# Altium PCB Board.PcbDoc (part 4 of 7) (continued)
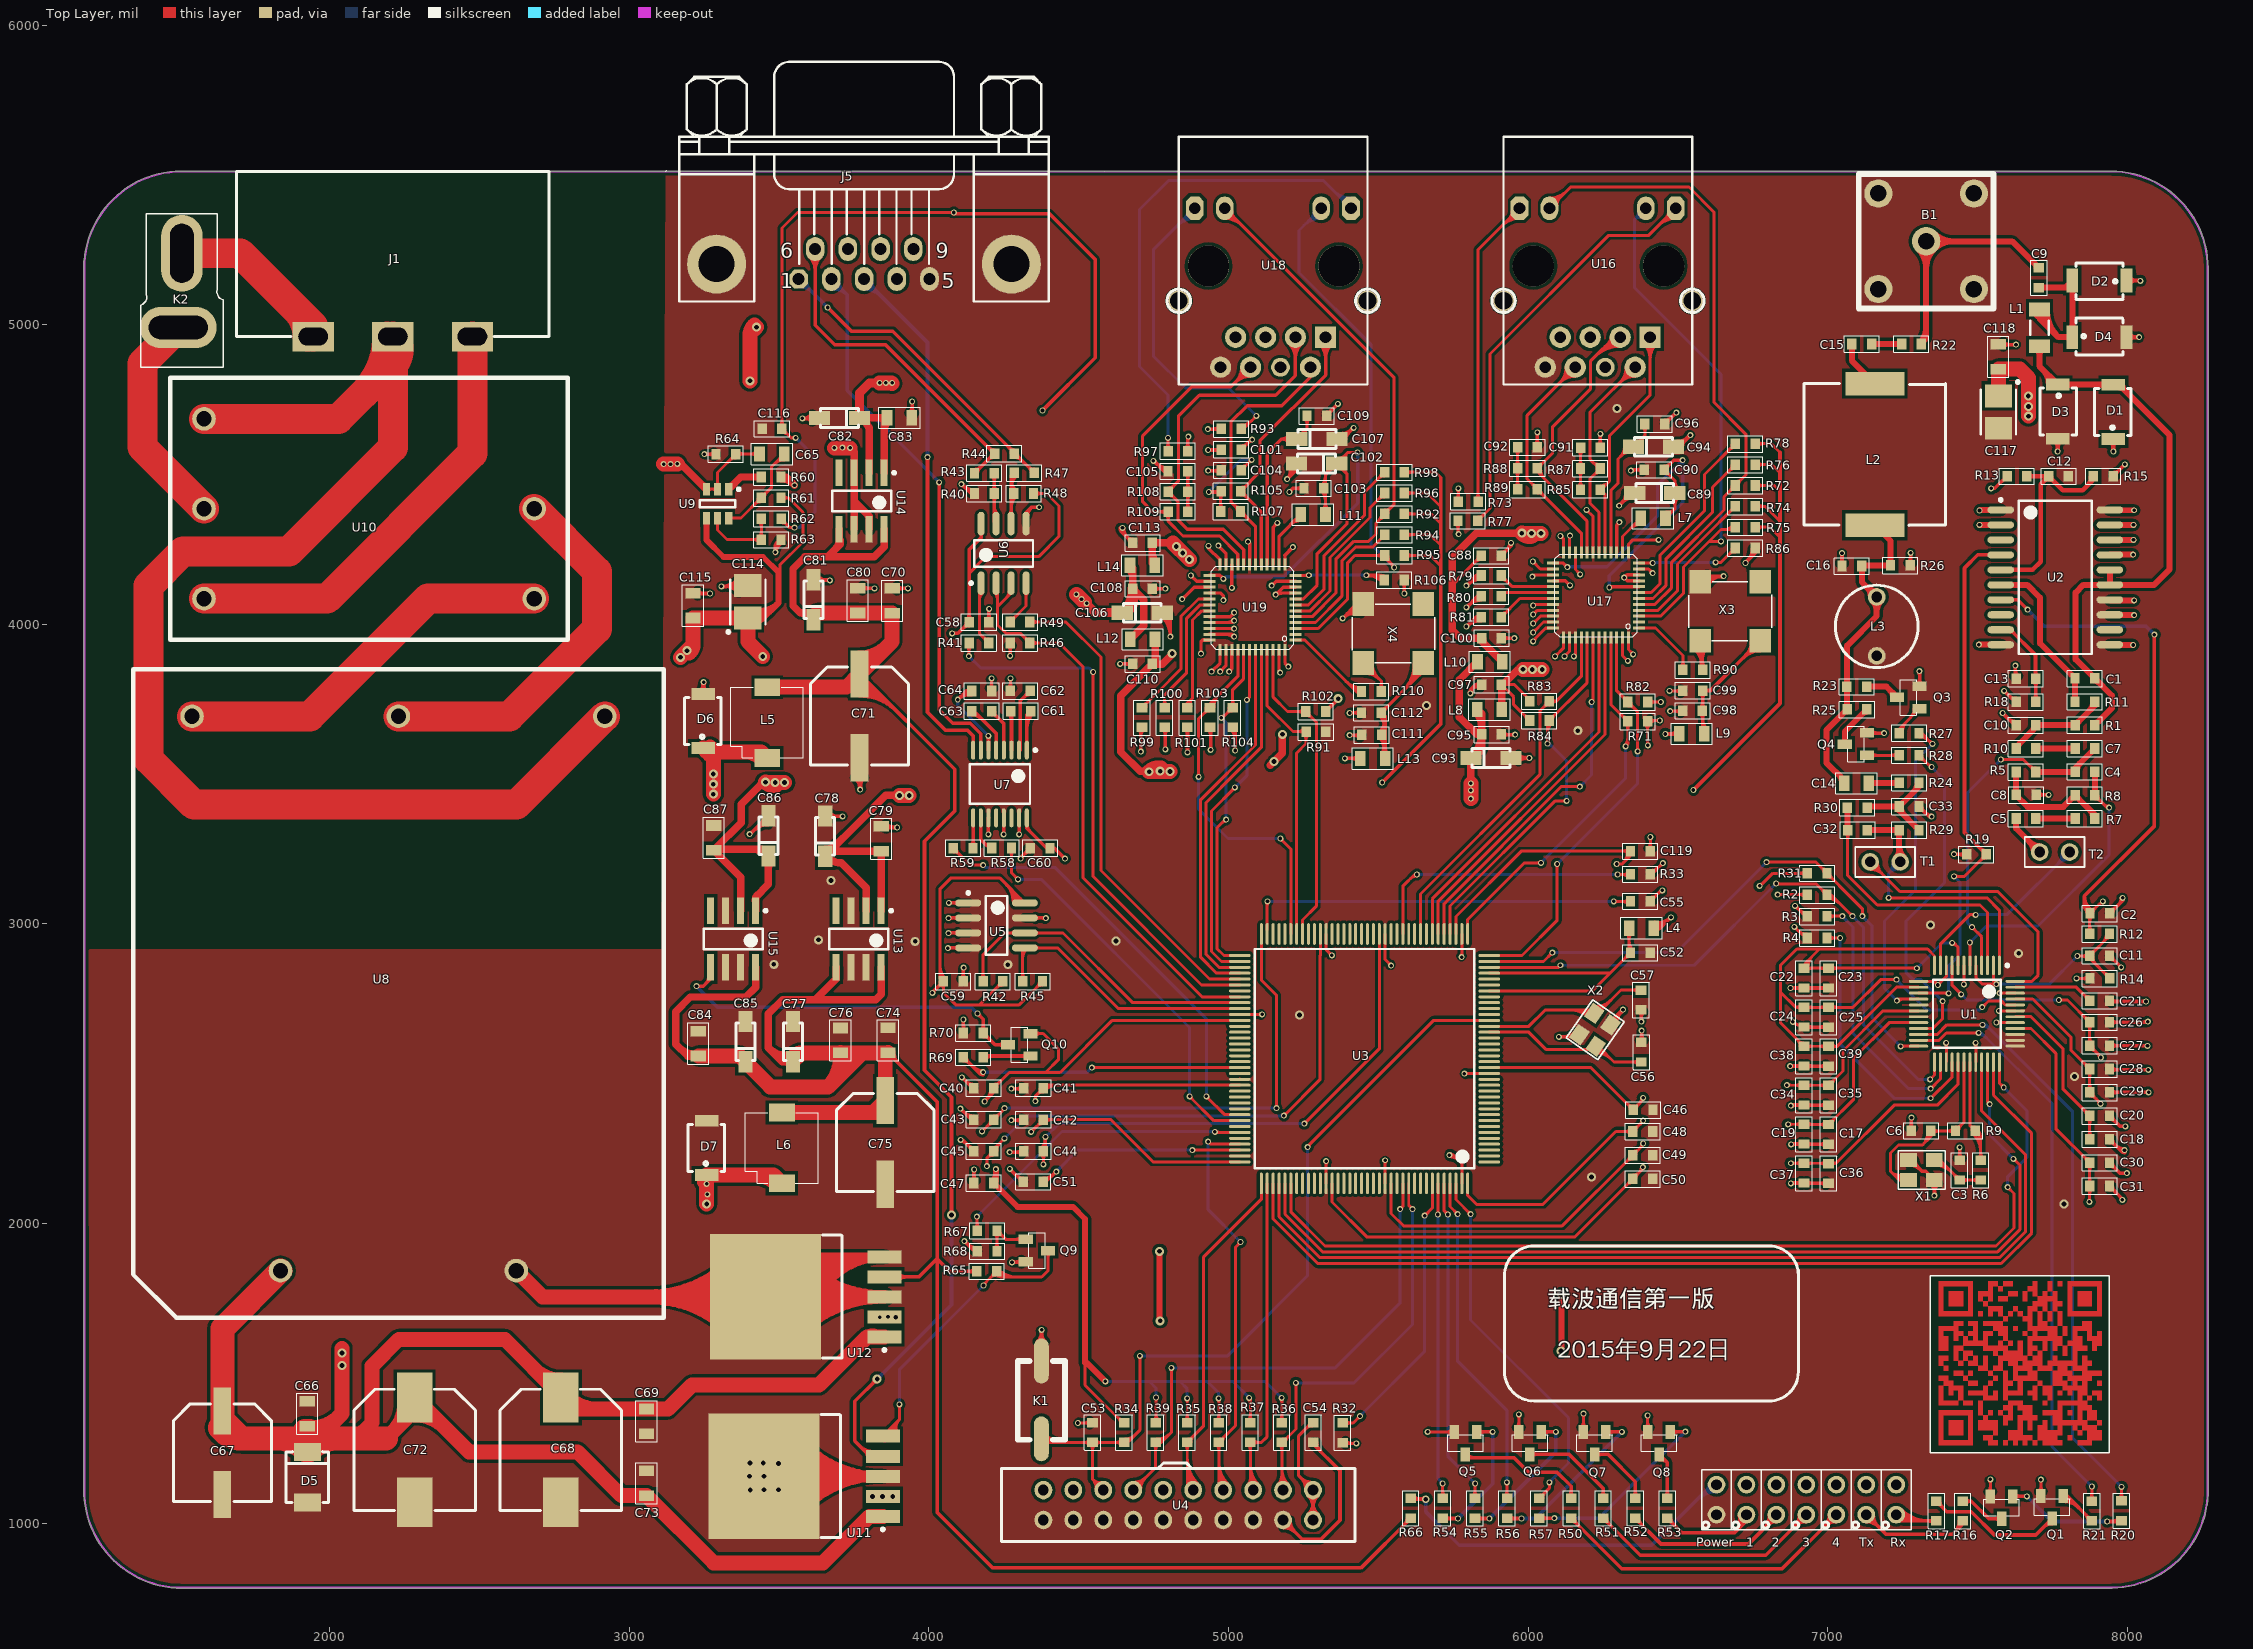
[diagram p0: Top Layer view]
## Nets (pads, with @x,y where several pads share a name; then routed paths per layer and width w, separated by ;. In a path a pad name is that pad's centre, name@x,y a point inside that pad or via, vN(x,y) a via of type N, cw(c..) or ccw(c..) an arc to the next point about the centre after c; other vN are vias at no path point) (continued)
  Bottom Layer w10: v1@7400.46,2771.54 ccw(c7391.93,2780.07) 7404,2780.07 ccw(c7416.07,2780.07) v1@7407.54,2771.54 ; v1(7404,2768) 7404,2860 7442,2898 7442,3139 v1(7422,3159) ; v1@7422,3154 cw(c7422,3141.93) 7430.54,3150.46 cw(c7439.07,3159) v1@7427,3159
TX_LED: R20.2 U1.22 | length 2170
  Top Layer w10: U1.22@7303.58,2631.1 7366.12,2631.1 7398.02,2663 v1(7517,2663) ; v1@7513.46,2659.46 ccw(c7504.93,2650.93) 7504.93,2663 ccw(c7504.93,2675.07) v1@7513.46,2666.54 ; R20.2@7973.4,1081.6 ccw(c7955.05,1099.95) 7981,1099.95 ccw(c8006.95,1099.95) R20.2@7988.6,1081.6 ; v1@7977.46,1117.46 cw(c7968.93,1108.93) 7981,1108.93 cw(c7993.07,1108.93) v1@7984.54,1117.46 ; R20.2@7981,1074 v1(7981,1121)
  Bottom Layer w10: v1@7517,2658 cw(c7517,2619.37) 7544.31,2646.69 ; v1(7517,2663) 7528,2663 ; v1@7517,2668 cw(c7517,2653.51) 7527.24,2663.76 ; v1@7520.77,2659.71 cw(c7528,2653.4) 7528,2663 ; v1@7520.77,2666.29 ccw(c7528,2672.6) 7528,2663 ; v1@7976,1121 ccw(c7963.93,1121) 7972.46,1129.54 ccw(c7981,1138.07) v1@7981,1126 ; v1(7981,1121) 7818,1284 7818,2373 7528,2663
TXN1: R107.1 U18.2 U19.18 | length 948.7
  Top Layer w11: 5019.15,4397.85 ccw(c5040,4418.71) R107.1@5040,4389.22 ; 5023.9,4393.1 cw(c5009.76,4378.97) R107.1@5029.75,4378.97 ; R107.1@5040,4364.78 cw(c5040,4335.29) 5060.85,4356.15 ; R107.1@5050.25,4375.03 ccw(c5070.24,4375.03) 5056.1,4360.9 ; U19.18@5089.84,4199.27 5089.84,4327.16 R107.1@5040,4377 5008,4409 5008,4676 5062,4730 5178,4730 5273.45,4825.45 U18.2@5273.45,4858.47
TXN2: R87.1 U16.2 U17.18 | length 998.6
  Top Layer w10: 6212.46,4544.82 ccw(c6241,4573.35) R87.1@6241,4533 ; 6219.29,4498.57 cw(c6241,4476.86) R87.1@6241,4507.56 ; 6224.04,4503.32 ccw(c6209.06,4518.31) R87.1@6230.25,4518.31 ; R87.1@6226.87,4530.41 cw(c6218.71,4522.25) R87.1@6230.25,4522.25 ; U17.18@6236.84,4240.27 6236.84,4374.16 6207,4404 6207,4486.28 R87.1@6241,4520.28 6237,4520.28 6206,4551.28 6206,4707.02 U16.2@6357.45,4858.47 ; U16.2@6327.02,4858.47 cw(c6253.54,4858.47) 6305.5,4806.51 cw(c6357.45,4754.56) U16.2@6357.45,4828.03 ; U16.2@6337.02,4858.47 cw(c6287.69,4858.47) 6322.57,4823.58 cw(c6357.45,4788.7) U16.2@6357.45,4838.03
TXP1: R105.1 U18.1 U19.17 | length 1168.4
  Top Layer w11: R105.1@5041,4432.78 cw(c5041,4403.29) 5061.85,4424.15 ; R105.1@5041,4457.22 ccw(c5041,4486.71) 5061.85,4465.85 ; R105.1@5051.25,4443.03 ccw(c5071.24,4443.03) 5057.1,4428.9 ; R105.1@5051.25,4446.97 cw(c5071.24,4446.97) 5057.1,4461.1 ; U19.17@5109.53,4199.27 5109.53,4376.47 R105.1@5041,4445 5105,4509 5105,4613 5324.38,4832.38 5324.38,4957.53 U18.1@5323.45,4958.47 ; U18.1@5302.28,4937.3 cw(c5248.93,4883.95) 5324.38,4883.95 ; U18.1@5310.06,4945.08 cw(c5275.49,4910.5) 5324.38,4910.5 ; 5324.38,4888.45 cw(c5393.46,4888.45) U18.1@5344.61,4937.3 ; 5324.38,4915.01 cw(c5366.9,4915.01) U18.1@5336.84,4945.08
TXP2: R85.1 U16.1 U17.17 | length 1016.1
  Top Layer w10: R85.1@6241,4450 6256.53,4434.47 U17.17@6256.53,4240.27 ; R85.1@6241,4462.72 ccw(c6241,4500.66) 6267.83,4473.83 ; R85.1@6251,4457 6272,4478 6272,4630 6407.45,4765.45 U16.1@6407.45,4958.47 ; R85.1@6251.75,4451.97 cw(c6265.7,4451.97) R85.1@6255.83,4461.83 ; U16.1@6385.93,4936.95 cw(c6333.98,4884.99) 6407.45,4884.99 cw(c6480.92,4884.99) U16.1@6428.97,4936.95 ; U16.1@6393,4944.02 cw(c6358.12,4909.14) 6407.45,4909.14 cw(c6456.78,4909.14) U16.1@6421.9,4944.02
VCC: C66.2 C67.2 C68.2 C69.2 C72.2 C73.2 C114.2 C115.2 D5.2 R61.1 U8.8 U9.4 U11.1 U12.1 | length 12224.5
  Top Layer w10: 3498,4173 3502,4177 3502,4198 3579,4275 3579,4374 3530.67,4422.33 ; R61.1@3506,4422.33 3530.67,4422.33 ; R61.1@3513.87,4415.02 cw(c3530.67,4399.4) 3530.67,4422.33 ; R61.1@3513.87,4429.65 ccw(c3530.67,4445.26) 3530.67,4422.33
  Top Layer w20: U9.4@3256.6,4354.77 3256.6,4282.4 3314,4225 3446,4225 3498,4173 3498,4072 ; C114.2@3394.68,4021.32 3447.32,4021.32 ; C114.2@3398.85,4009.79 ccw(c3412.46,4059.93) 3449.19,4023.19 ; C114.2@3404.09,4029.09 ccw(c3422.88,4098.31) 3473.59,4047.59 ; C114.2@3409.33,4048.39 ccw(c3433.3,4136.69) 3498,4072 ; C114.2@3427.27,4033.71 ccw(c3447.32,4043.74) 3447.32,4021.32 ; C114.2@3427.53,4008.81 cw(c3447.32,3999.41) 3447.32,4021.32 ; 3447.32,4021.32 3498,4072
  Top Layer w50: C66.2@1931.87,1316.04 ccw(c1931.87,1458.88) 2032.88,1357.88 ; D5.2@1945.12,1238.35 cw(c1989.21,1249.79) 1957,1282 2040,1365 v2@2040,1582 ; D5.2@1945.28,1237.11 cw(c2025.34,1237.11) 1968.73,1293.73 ; 2088,1282 2141,1335 2141,1524 2230,1613 2584,1613 2771,1426 C68.2@2771,1418.95 2809.28,1380.68 C69.2@3057,1380.68 3128.68,1380.68 3209,1461 3633,1461 3793,1621 U12.1@3851,1621 ; 2188,1282 2283,1377 C72.2@2283,1418.95 2464.95,1237 2827,1237 2972.68,1091.32 C73.2@3057,1091.32 3281.32,867 3646,867 3801,1022 U11.1@3846,1022 ; 2211.9,1305.9 ccw(c2122.47,1395.33) C72.2@2248.94,1395.33 ; C72.2@2283,1361.28 cw(c2283,1222.03) 2381.46,1320.49 ; 2684.57,1512.43 ccw(c2771,1598.86) C68.2@2771,1476.63 ; C68.2@2795.08,1419.41 ccw(c2888.59,1512.92) 2888.59,1380.68 ; v2(3170,3890) v2(3192,3912) 3212,3932 ; v2@3198,3904 ccw(c3177,3932) 3212,3932 ; v2@3199.07,3904.93 ccw(c3167.86,3936.14) 3212,3936.14 ; C114.2@3394.68,4021.32 C115.2@3212,4021.32 3212,3932 ; C114.2@3395,4021 3395,3943 v2(3445,3893) ; v2(3402,4813) 3402,4970 v2(3424,4992) ; 3782.76,1610.76 cw(c3815.57,1577.94) U12.1@3815.57,1624.35 ; 3402,4963.03 cw(c3452.97,4963.03) 3416.93,4999.07 ccw(c3452.97,4963.03) 3402,4963.03
  Top Layer w80: C67.2@1632.47,1318.86 ccw(c1704,1369.83) 1704,1282 ; C67.2@1633.59,1317.53 ccw(c1719.38,1403.31) 1719.38,1282 ; 1825.6,1282 cw(c1825.6,1153.07) D5.2@1916.77,1244.24 ; U8.8@1835.05,1842.61 1641,1648.56 C67.2@1641,1374.15 1641,1345 1704,1282 ; 1870.16,1282 ccw(c1870.16,1369.29) C66.2@1931.88,1307.57 ; C66.2@1916.12,1307.57 ccw(c1977.84,1369.29) 1977.84,1282 ; D5.2@1933.23,1244.24 cw(c2024.4,1153.07) 2024.4,1282 ; 2080,1282 1704,1282 ; 2088,1282 2188,1282
  VCC w50: v2@2039,1526 2039,1581 2413,1955 2997,1955 3179,2137 3179,3905 v2@3185,3911 ; v2@3160.46,3893.01 cw(c3185,3885.27) v2@3185,3911 ; v2@3162.22,3896.28 cw(c3193,3871.46) 3193,3911 v2@3185,3911
  other v2: 2040,1526 2040,1568
VCC5: C70.2 C71.2 C80.1 C81.2 L5.2 U11.4 U14.5 U14.8 | length 5502
  Top Layer w12: C71.2@3768,3761.41 cw(c3768,3585.8) 3892.18,3709.97 ; C71.2@3768,3773.41 cw(c3768,3626.77) 3871.69,3730.46 ; C71.2@3768,3785.41 cw(c3768,3667.74) 3851.2,3750.95 ; C71.2@3768,3797.41 cw(c3768,3708.71) 3830.72,3771.43 ; C71.2@3768,3809.41 cw(c3768,3749.68) 3810.23,3791.92 ; C71.2@3768,3821.41 cw(c3768,3790.65) C71.2@3789.75,3812.4 ; C71.2@3768,3833.41 cw(c3768,3831.62) C71.2@3769.26,3832.89 ; C71.2@3768,3834.15 4086,3516.15 4086,3377 3985,3276 3985,2511 4075,2421 v2(4075,2028) ; 3771.29,1254.71 ccw(c3810.57,1293.99) U11.4@3810.57,1238.44 ; U11.4@3789.04,1236.95 cw(c3774.88,1222.79) U11.4@3794.91,1222.79 ; U11.4@3791.78,1234.22 ccw(c3810.57,1253.02) U11.4@3810.57,1226.44 ; v2@3818,1481 cw(c3796.27,1481) 3811.64,1465.64 cw(c3827,1450.27) v2@3827,1472 ; v2(3827,1481) 3752,1406 3752,1274 3803.21,1222.79 U11.4@3846,1222.79 ; v2@4068.64,2034.36 ccw(c4053.27,2049.73) 4075,2049.73 ccw(c4096.73,2049.73) v2@4081.36,2034.36
  Top Layer w25: C81.2@3606.16,4020.12 ccw(c3570,3992.49) 3570,4038 ; C81.2@3637.94,4038 3570,4038 ; 3686.65,4250.65 ccw(c3652.76,4284.54) U14.5@3700.69,4284.54 ; U14.5@3700,4317.02 3700,4264 ; U14.5@3700.51,4285.01 cw(c3689.23,4274.77) 3700,4264 ; U14.8@3850,4317.02 3850,4259 3817,4226 3662,4226 ; 3570,4038 3546,4062 3546,4186 3586,4226 3662,4226 ; 3662,4226 3700,4264
  Top Layer w50: L5.2@3460,3790.22 3724.07,3790.22 C71.2@3768,3834.15 3877,3943.15 C70.2@3877,4037.32 3762.68,4037.32 C80.1@3762,4038 C81.2@3637.94,4038 ; C81.2@3614.03,4027.85 cw(c3638.53,4003.34) C81.2@3638.53,4038 ; C71.2@3768,3837.89 ccw(c3768,3846.92) C71.2@3774.38,3840.53 ; C71.2@3768,3887.89 ccw(c3768,4017.63) 3859.74,3925.89
  Bottom Layer w12: v2(3827,1481) 4075,1729 v2(4075,2028) ; v2@3827,1490 ccw(c3827,1511.73) 3842.36,1496.36 ccw(c3857.73,1481) v2@3836,1481 ; v2@4068.64,2021.64 cw(c4053.27,2006.27) 4075,2006.27 cw(c4096.73,2006.27) v2@4081.36,2021.64
VCC-3.3: C82.2 C83.1 C93.2 C95.2 C106.2 C108.2 L8.1 L10.1 L12.1 L14.1 U14.1 U14.2 | length 5757.8
  Top Layer w25: C82.2@3767.94,4689 3841,4689 3850,4680 U14.1@3850,4506 ; C82.2@3790.68,4686.97 ccw(c3823.86,4680.8) 3800,4656.94 U14.2@3800,4506 ; 3850,4645.39 cw(c3896.74,4645.39) C83.1@3863.69,4678.44 ; L14.1@4667.31,4185.44 cw(c4636.68,4154.8) 4680,4154.8 ; L14.1@4671,4197 4680,4188 C108.2@4680,4119 4717,4082 4717,3995 L12.1@4672,3950 ; C93.2@5801.2,3546.14 cw(c5782.21,3527.15) 5809.06,3527.15 cw(c5835.91,3527.15) C93.2@5816.93,3546.14 ; 5807.07,3653.93 ccw(c5845,3691.85) C95.2@5845,3638.22 ; v1(5809.06,3469) C93.2@5809.06,3554 5845,3589.94 ; C93.2@5813.45,3562.28 ccw(c5749.98,3633) C95.2@5845,3633 ; C93.2@5820.66,3565.12 ccw(c5820.18,3589.94) 5845,3589.94 ; L8.1@5826.31,3704.44 cw(c5781.19,3659.32) 5845,3659.32 ; L8.1@5830,3716 5845,3701 C95.2@5845,3633 ; L10.1@5831,3875 5771,3815 5771,3690 5828,3633 C95.2@5845,3633 ; C93.2@5831.97,3554.83 cw(c5876.76,3558.17) 5845,3589.94 ; 5845,3589.94 C95.2@5845,3633
  Top Layer w30: C82.2@3767.94,4689 3767.94,4771.94 3802,4806 v1(3835,4806) ; v1@4524.5,4068.5 4555,4038 ; 4556,4039 C106.2@4645.06,4039
  Top Layer w35: C106.2@4645.06,4039 4680,4073.94 ; C106.2@4652.55,4043.33 ccw(c4586.26,4109.61) C108.2@4680,4109.61 ; C106.2@4655.8,4045.03 ccw(c4650.63,4073.94) 4680,4073.94 ; C106.2@4663,4039 cw(c4706.29,4039) 4675.68,4069.61 ; C108.2@4680,4119 4680,4073.94
  Top Layer w50: v1(3835,4806) 3875,4806 v1@3877,4804 ; v1(4492,4100) 4493,4100 v1@4518.5,4074.5 ; v1(5809,3418) 5809.06,3418.06 v1(5809.06,3469)
  VCC w30: 3912,4806 4406,4806 4539,4673 4539,4444 ; v1@4489,4104 4456,4137 4456,4273 4539,4356 4539,4444 ; v1(5809,3418) 5784,3393 5355,3393 4960,3788 4798,3788 4591,3995 4591,4392 4539,4444 ; v1@5809,3468.94 v1(5809.06,3469)
  VCC w50: v1(3835,4806) 3912,4806 ; v1(4492,4100) 4496,4100 v1(4526,4070) ; v1(5809,3418) v1(5809,3446) v1@5809,3468.94
  other v1: 4509,4084 3856,4806 3877,4806
VDD: C52.2 L4.2 U3.30 U3.33 | length 1133.5
  Top Layer w10: U3.30@5870.34,2776.38 6214.38,2776.38 6273.43,2835.43 ; U3.33@5870.34,2835.43 6273.43,2835.43 ; 6320.29,2882.29 cw(c6342,2860.58) C52.2@6342,2891.28 ; 6325.04,2887.04 ccw(c6310.06,2902.03) C52.2@6331.25,2902.03 ; L4.2@6328.33,2969.13 cw(c6306.62,2947.43) 6337.32,2947.43 cw(c6368.02,2947.43) L4.2@6346.31,2969.13 ; 6337.32,2943.21 ccw(c6379.24,2943.21) C52.2@6349.6,2913.57 ; L4.2@6337.32,2986 6337.32,2908.68 C52.2@6342,2904 6273.43,2835.43
VDD2.5: C22.2 C23.2 C24.2 C25.2 C38.2 C39.2 U1.8 U1.12 U1.14 U1.44 | length 3600.1
  Top Layer w10: 6899.29,2613.31 cw(c6877.58,2591.6) C38.2@6908.28,2591.6 ; 6904.04,2608.56 ccw(c6919.03,2623.54) C38.2@6919.03,2602.35 ; C24.2@6911.41,2714.22 ccw(c6893.2,2696.14) 6893.2,2721.8 ; C24.2@6911.41,2729.38 cw(c6893.2,2747.46) 6893.2,2721.8 ; C22.2@6923.72,2852 cw(c6959.25,2852) 6934.12,2877.12 ; C38.2@6930.57,2584 cw(c6948.92,2565.65) 6948.92,2591.6 cw(c6948.92,2617.55) C38.2@6930.57,2599.2 ; C24.2@6930.57,2714.2 cw(c6948.43,2696.33) 6948.43,2721.6 ; C24.2@6930.57,2729.4 ccw(c6949.4,2748.23) 6949.4,2721.6 ; C22.2@6930.57,2844.4 cw(c6948.92,2826.05) 6948.92,2852 cw(c6948.92,2877.95) C22.2@6930.57,2859.6 ; C22.2@6933.72,2852 cw(c6993.39,2852) 6951.19,2894.19 ; 6974.12,2591.6 cw(c6974.12,2564.29) C39.2@6993.43,2583.6 ; 6976.05,2591.6 ccw(c6976.05,2616.18) C39.2@6993.43,2598.8 ; C25.2@6993.43,2714 ccw(c6975.08,2695.65) 6975.08,2721.6 ccw(c6975.08,2747.55) C25.2@6993.43,2729.2 ; C23.2@6993.43,2844.4 ccw(c6975.08,2826.05) 6975.08,2852 ccw(c6975.08,2877.95) C23.2@6993.43,2859.6 ; C39.2@7012.57,2583.6 cw(c7030.92,2565.25) 7030.92,2591.2 cw(c7030.92,2617.15) C39.2@7012.57,2598.8 ; C25.2@7012.57,2714 cw(c7030.92,2695.65) 7030.92,2721.6 cw(c7030.92,2747.55) C25.2@7012.57,2729.2 ; C23.2@7012.57,2844.4 cw(c7030.92,2826.05) 7030.92,2852 cw(c7030.92,2877.95) C23.2@7012.57,2859.6 ; v1@7226.46,2810.46 ccw(c7217.93,2801.93) 7217.93,2814 ccw(c7217.93,2826.07) v1@7226.46,2817.54 ; v1(7230,2814) 7177,2814 7084.6,2721.6 C25.2@7003,2721.6 6921.2,2721.6 C24.2@6921,2721.8 6893.2,2721.8 ; v1@7294.46,2848.46 ccw(c7285.93,2839.93) 7285.93,2852 ccw(c7285.93,2864.07) v1@7294.46,2855.54 ; v1(7298,2852) C23.2@7003,2852 C22.2@6921,2852 6921,2864 6973,2916 ; U1.14@7303.58,2788.58 7229.58,2788.58 7032.2,2591.2 C39.2@7003,2591.2 7002.6,2591.6 C38.2@6921,2591.6 6842,2670.6 6842,2773 ; U1.12@7356.73,2861.42 7356.73,2893.27 7334,2916 6973,2916 ; v1@7416,2932 cw(c7416,2907.86) 7433.07,2924.93 ; v1(7416,2937) 7421,2937 7435.47,2922.53 U1.8@7435.47,2861.42 ; v1(7516,2722) 7537,2743 7580,2743 7580.94,2742.06 7580.94,2741.79 7593.2,2729.53 U1.44@7626.42,2729.53 ; v1@7516,2727 ccw(c7516,2739.07) 7524.54,2730.54 ccw(c7533.07,2722) v1@7521,2722 ; 6842,2773 6842,2861 6897,2916 6973,2916 ; 6842,2773 6893.2,2721.8
  Bottom Layer w10: v1@7230,2809 cw(c7230,2796.93) 7238.54,2805.46 cw(c7247.07,2814) v1@7235,2814 ; v1(7230,2814) 7331,2713 7507,2713 v1(7516,2722) ; v1(7298,2852) 7382,2936 v1@7416,2936 ; v1@7298,2857 ccw(c7298,2869.07) 7306.54,2860.54 ccw(c7315.07,2852) v1@7303,2852 ; 7401.51,2936 ccw(c7401.51,2951.49) v1@7412.46,2940.54
VDD3.3: 1.1 2.1 3.1 4.1 C40.2 C41.2 C42.2 C43.2 C44.2 C45.2 C46.2 C47.2 C48.2 C49.2 C50.2 C58.1 C59.2 C60.2 C78.2 C79.1 C116.2 C119.2 L4.1 Q10.1 R34.2 R35.2 R36.2 R37.2 R38.2 R39.2 R42.1 R45.1 R48.1 R62.2 U3.17 U3.39 U3.52 U3.62 U3.72 U3.84 U3.95 U3.108 U3.121 U3.131 U3.144 U5.8 U6.8 U7.16 U13.1 U13.2 | length 24712.4
  Top Layer w10: C116.2@3501.4,4662.57 ccw(c3483.05,4680.92) 3509,4680.92 ccw(c3534.95,4680.92) C116.2@3516.6,4662.57 ; R62.2@3506.15,4339.39 cw(c3506.15,4308.69) 3527.86,4330.4 ; R62.2@3506.15,4352.11 3535.26,4323 v1(3551,4323) ; C116.2@3509,4640.28 cw(c3509,4609.58) 3530.71,4631.29 ; R62.2@3516.9,4350.14 ccw(c3538.09,4350.14) 3523.11,4335.15 ; C116.2@3519.75,4651.03 ccw(c3540.94,4651.03) 3525.96,4636.04 ; v1@3547.46,4319.46 ccw(c3538.93,4310.93) 3538.93,4323 ccw(c3538.93,4335.07) v1@3547.46,4326.54 ; v1@3551.46,4619.46 ccw(c3542.93,4610.93) 3542.93,4623 ccw(c3542.93,4635.07) v1@3551.46,4626.54 ; v1(3555,4623) 3539,4623 C116.2@3509,4653 3509,5323 3561,5375 v1(4083,5375) ; v1(4011,2770) v1@4011,2771 ; 4036,2840.74 ccw(c4078.78,2840.74) C59.2@4048.53,2810.5 ; 4036,2864.89 ccw(c4102.92,2864.89) C59.2@4055.6,2817.57 ; C59.2@4040.4,2798.43 cw(c4022.05,2780.08) 4048,2780.08 cw(c4073.95,2780.08) C59.2@4055.6,2798.43 ; 4134,4171 4189,4226 4366,4226 4434,4294 4434,4395 4392,4437 R48.1@4349,4437 ; v1(4177,2307.33) 4252,2382.33 v1(4252,2385) ; v1@4177,2312.33 ccw(c4177,2324.4) 4185.54,2315.87 ccw(c4194.07,2307.33) v1@4182,2307.33 ; v1@4184.71,2411.83 ccw(c4180.79,2426.43) 4193.89,2418.87 ; v1(4186,2407) 4216,2437 C40.2@4216,2452 4268,2504 4389,2504 ; v1@4186,2412 ccw(c4186,2424.07) 4194.54,2415.54 ccw(c4203.07,2407) v1@4191,2407 ; v1@4188.44,2409.44 ccw(c4147.84,2450.03) C40.2@4205.25,2450.03 ; v1@4189.46,2194.54 ccw(c4180.93,2203.07) 4193,2203.07 ccw(c4205.07,2203.07) v1@4196.54,2194.54 ; v1(4193,2191) 4193,2217.67 C45.2@4216,2240.67 4216,2248 v1(4252,2284) ; 4194.29,2218.96 cw(c4216,2197.25) C45.2@4216,2227.95 ; 4194.29,2324.62 cw(c4216,2302.92) C43.2@4216,2333.62 ; 4199.04,2223.71 ccw(c4184.06,2238.7) C45.2@4205.25,2238.7 ; 4199.04,2329.38 ccw(c4184.06,2344.36) C43.2@4205.25,2344.36 ; 4205.51,2426.51 ccw(c4181.99,2450.03) C40.2@4215.25,2450.03 ; C47.2@4208.4,2144.57 ccw(c4173.15,2179.82) v1@4223,2179.82 ; C47.2@4215.47,2137.5 ccw(c4197.29,2155.67) 4223,2155.67 ; C47.2@4216,2122.28 cw(c4216,2091.58) 4237.71,2113.29 ; C47.2@4216,2135 C47.2@4223,2142 ; C45.2@4216,2253.38 ccw(c4216,2266.38) C45.2@4225.19,2257.19 ; C43.2@4216,2359.05 ccw(c4216,2389.75) 4237.71,2368.04 ; C40.2@4216,2464.72 ccw(c4216,2495.42) 4237.71,2473.71 ; v1@4218.67,2178.5 cw(c4207.31,2171.94) 4219.98,2168.55 ; v1@4219.46,2177.46 cw(c4210.93,2168.93) 4223,2168.93 cw(c4235.07,2168.93) v1@4226.54,2177.46 ; 4220.36,2169.98 cw(c4231.01,2167.12) v1@4225.5,2176.67 ; 4224.79,2786.29 cw(c4246.5,2764.58) R42.1@4246.5,2795.28 ; C47.2@4226.75,2133.03 ccw(c4247.94,2133.03) 4232.96,2118.04 ; C45.2@4226.75,2242.64 cw(c4265.65,2242.64) 4238.14,2270.14 ; C43.2@4226.75,2348.3 cw(c4247.94,2348.3) 4232.96,2363.29 ; C40.2@4226.75,2453.97 cw(c4247.94,2453.97) 4232.96,2468.96 ; 4229.54,2791.04 ccw(c4214.56,2806.03) R42.1@4235.75,2806.03 ; 4241.58,2371.91 ccw(c4228.49,2385) v1@4247,2385 ; R42.1@4246.5,2808 4168.5,2730 ; v1@4247,2284 cw(c4234.93,2284) 4243.46,2275.46 cw(c4252,2266.93) v1@4252,2279 ; 4254.58,3135.39 cw(c4189.19,3070) U5.8@4281.67,3070 ; 4271.65,3118.32 cw(c4223.33,3070) U5.8@4291.67,3070 ; 4288.72,3101.25 cw(c4257.47,3070) U5.8@4301.67,3070 ; 4305.8,3084.18 cw(c4291.61,3070) U5.8@4311.67,3070 ; U5.8@4319.98,3070 4235.98,3154 4074,3154 4036,3116 4036,2820 C59.2@4048,2808 4048,2771 4089,2730 4168.5,2730 ; Q10.1@4339,2633.8 4381.2,2633.8 4433,2582 4433,2548 4389,2504 ; v1(4341,2306) 4341.67,2306 C42.2@4382,2346.33 4607.67,2346.33 4748.49,2205.51 U3.108@5037.66,2205.51 ; v1@4341,2311 ccw(c4341,2324.68) 4350.67,2315.01 ; v1@4346,2306 cw(c4356.46,2306) 4349.06,2313.4 ; v1@4351.46,2411.54 ccw(c4342.93,2420.07) 4355,2420.07 ccw(c4367.07,2420.07) v1@4358.54,2411.54 ; Q10.1@4354.47,2626.2 cw(c4372.82,2607.86) 4372.82,2633.8 cw(c4372.82,2659.75) Q10.1@4354.47,2641.4 ; v1(4355,2408) 4355,2425 C41.2@4382,2452 4391.42,2461.42 U3.95@5037.66,2461.42 ; R48.1@4356.6,4429.4 cw(c4374.95,4411.05) 4374.95,4437 cw(c4374.95,4462.95) R48.1@4356.6,4444.6 ; 4357.29,2786.29 cw(c4379,2764.58) R45.1@4379,2795.28 ; 4360.29,2324.62 cw(c4382,2302.92) C42.2@4382,2333.62 ; 4360.29,2430.29 cw(c4382,2408.58) C41.2@4382,2439.28 ; 4362.04,2791.04 ccw(c4347.06,2806.03) R45.1@4368.25,2806.03 ; 4365.04,2329.38 ccw(c4350.06,2344.36) C42.2@4371.25,2344.36 ; 4365.04,2435.04 ccw(c4350.06,2450.03) C41.2@4371.25,2450.03 ; C44.2@4374.4,2231.1 cw(c4356.05,2212.75) 4382,2212.75 cw(c4407.95,2212.75) C44.2@4389.6,2231.1 ; C44.2@4374.4,2250.24 ccw(c4339.15,2285.48) v1@4389,2285.48 ; v1@4378.46,2200.54 ccw(c4369.93,2209.07) 4382,2209.07 ccw(c4394.07,2209.07) v1@4385.54,2200.54 ; R45.1@4379,2808 4301,2730 4168.5,2730 ; C44.2@4381.47,2243.16 ccw(c4363.29,2261.34) 4389,2261.34 ; v1(4382,2197) C44.2@4382,2240.67 4389,2247.67 v1(4389,2289) ; C41.2@4382.53,2453.44 cw(c4401.79,2434.18) 4401.79,2461.42 ; v1@4384.67,2286.5 cw(c4371.52,2278.91) 4386.19,2274.98 ; v1@4385.46,2285.46 cw(c4376.93,2276.93) 4389,2276.93 cw(c4401.07,2276.93) v1@4392.54,2285.46 ; C42.2@4389.6,2338.73 cw(c4407.95,2320.39) 4407.95,2346.33 cw(c4407.95,2372.28) C42.2@4389.6,2353.93 ; C41.2@4389.6,2446.37 cw(c4425.93,2410.04) 4425.93,2461.42 ; 4527,1535 4521,1535 4521,1460 4645.85,1335.15 R34.2@4651.76,1335.15 ; v1@4584,1473 ccw(c4571.93,1473) 4580.46,1481.54 ccw(c4589,1490.07) v1@4589,1478 ; 4624.71,1356.29 ccw(c4649.8,1381.37) R34.2@4649.8,1345.9 ; R34.2@4634.24,1346.76 cw(c4622.63,1335.15) R34.2@4639.05,1335.15 ; R39.2@4751.34,1342.75 ccw(c4735.26,1358.83) 4758,1358.83 ; v1@4754.46,1415.46 cw(c4745.93,1406.93) 4758,1406.93 cw(c4770.07,1406.93) v1@4761.54,1415.46 ; R39.2@4756.97,1335.15 4758,1336.18 v1(4758,1419) ; 4758,1363.36 ccw(c4787.15,1363.36) R39.2@4766.54,1342.75 ; R35.2@4854.58,1342.75 ccw(c4836.23,1361.1) 4862.18,1361.1 ccw(c4888.12,1361.1) R35.2@4869.78,1342.75 ; v1@4858.46,1412.46 cw(c4849.5,1403.5) 4862.18,1403.5 ; v1(4862,1416) 4862.18,1415.82 R35.2@4862.18,1335.15 ; 4862.18,1404.35 cw(c4873.65,1404.35) v1@4865.54,1412.46 ; R38.2@4959.78,1342.75 ccw(c4941.43,1361.1) 4967.38,1361.1 ccw(c4993.33,1361.1) R38.2@4974.98,1342.75 ; v1@4963.46,1412.46 cw(c4954.01,1403.01) 4967.38,1403.01 ; v1(4967,1416) 4967.38,1415.62 R38.2@4967.38,1335.15 ; 4967.38,1404.85 cw(c4978.15,1404.85) v1@4970.54,1412.46 ; U3.84@5037.66,2677.95 4611.95,2677.95 4438,2504 4389,2504 ; R37.2@5064.99,1342.75 ccw(c5046.64,1361.1) 5072.59,1361.1 ccw(c5098.54,1361.1) R37.2@5080.19,1342.75 ; v1@5065.46,1414.46 cw(c5048.27,1397.27) 5072.59,1397.27 ; v1(5069,1418) 5072.59,1414.41 R37.2@5072.59,1335.15 ; U3.72@5109.51,2966.34 5109.51,2812.49 5160,2762 v1(5160,2385) ; v1@5156.46,2388.54 ccw(c5147.93,2397.07) 5160,2397.07 ccw(c5172.07,2397.07) v1@5163.54,2388.54 ; R36.2@5170.19,1342.75 ccw(c5151.85,1361.1) 5177.79,1361.1 ccw(c5203.74,1361.1) R36.2@5185.39,1342.75 ; v1@5173.46,1414.46 cw(c5163.01,1404.01) 5177.79,1404.01 ; v1(5177,1418) 5177.79,1417.21 R36.2@5177.79,1335.15 ; 5177.79,1407.85 cw(c5187.15,1407.85) v1@5180.54,1414.46 ; v1(5185,2360) 5306,2481 5306,2894 5306.36,2894.36 U3.62@5306.36,2966.34 ; v1@5185,2365 ccw(c5185,2377.07) 5193.54,2368.54 ccw(c5202.07,2360) v1@5190,2360 ; v1(5253,2333) 5503.21,2583.21 U3.52@5503.21,2966.34 ; v1@5253,2338 ccw(c5253,2350.07) 5261.54,2341.54 ccw(c5270.07,2333) v1@5258,2333 ; U3.121@5345.73,2133.66 5345.73,2071.27 5463,1954 6155,1954 C50.2@6350,2149 6383,2182 v1(6383,2188) ; U3.131@5542.58,2133.66 5542.58,2033.42 5584,1992 6114,1992 C49.2@6350,2228 6384,2262 v1(6384,2267) ; U3.39@5759.12,2966.34 5759.12,3025.12 5977,3243 C119.2@6342,3243 6342,3227 6315,3200 ; U3.144@5798.49,2133.66 5798.49,2093.51 5828,2064 6050,2064 6293,2307 C48.2@6350,2307 6384,2341 v1(6384,2343) ; U3.17@5870.34,2520.47 6209.53,2520.47 C46.2@6350,2380 ; v1(6296,3200) 6315,3200 ; v1@6299.54,3196.46 cw(c6308.07,3187.93) 6308.07,3200 cw(c6308.07,3212.07) v1@6299.54,3203.54 ; 6328.29,2127.29 cw(c6350,2105.58) C50.2@6350,2136.28 ; 6328.29,2206.29 cw(c6350,2184.58) C49.2@6350,2215.28 ; 6329.29,2400.71 ccw(c6351,2422.42) 6351,2391.72 ccw(c6351,2422.42) 6372.71,2400.71 ; C119.2@6331.26,3240.75 cw(c6275.71,3239.29) 6315,3200 ; 6331.46,3216.46 ccw(c6307.78,3240.13) C119.2@6341.25,3241.01 ; 6333.04,2132.04 ccw(c6318.06,2147.03) C50.2@6339.25,2147.03 ; 6333.04,2211.04 ccw(c6318.06,2226.03) C49.2@6339.25,2226.03 ; 6334.04,2395.96 cw(c6319.06,2380.97) C46.2@6340.25,2380.97 ; C119.2@6334.4,3235.4 ccw(c6316.05,3217.05) 6316.05,3243 ccw(c6316.05,3268.95) C119.2@6334.4,3250.6 ; C48.2@6342.4,2299.4 ccw(c6324.05,2281.05) 6324.05,2307 ccw(c6324.05,2332.95) C48.2@6342.4,2314.6 ; C50.2@6350,2161.72 ccw(c6350,2192.42) 6371.71,2170.71 ; C49.2@6350,2240.72 ccw(c6350,2271.42) 6371.71,2249.71 ; C48.2@6350,2319.72 ccw(c6350,2350.42) 6371.71,2328.71 ; C46.2@6351,2379 6384,2412 v1(6384,2419) ; C50.2@6360.75,2150.97 cw(c6381.94,2150.97) 6366.96,2165.96 ; C49.2@6360.75,2229.97 cw(c6381.94,2229.97) 6366.96,2244.96 ; C48.2@6360.75,2308.97 cw(c6381.94,2308.97) 6366.96,2323.96 ; C46.2@6361.75,2380.97 cw(c6382.94,2380.97) 6367.96,2395.96 ; 6370.22,2169.22 ccw(c6351.44,2188) v1@6378,2188 ; 6370.51,2398.51 ccw(c6350.03,2419) v1@6379,2419 ; 6371.93,2249.93 ccw(c6354.86,2267) v1@6379,2267 ; 6374.05,2331.05 ccw(c6362.1,2343) v1@6379,2343
  Top Layer w12: v1@4011,2771 C59.2@4048,2808 ; v1@4015,2770 cw(c4027.07,2770) 4018.54,2778.54 ; 4028,2788 cw(c4048,2768) C59.2@4048,2796.28 ; C59.2@4032.75,2792.75 ccw(c4019.47,2806.03) C59.2@4038.25,2806.03 ; v1(4077,3970) 4096.56,3970 C58.1@4134,4007.44 4134,4171 4134,4250 4174,4290 U6.8@4174,4336.41 ; v1@4079.46,5371.46 4401.54,5371.46 4555,5218 4555,4890 v1(4379,4714) ; 4114,3987.44 cw(c4134,3967.44) C58.1@4134,3995.72 ; C58.1@4118.75,3992.19 ccw(c4105.47,4005.47) C58.1@4124.25,4005.47 ; C58.1@4127.11,4016.3 ccw(c4110.47,4032.94) 4134,4032.94 ccw(c4157.53,4032.94) C58.1@4140.89,4016.3 ; U6.8@4169.89,4304.74 cw(c4159.97,4294.82) 4174,4294.82 cw(c4188.03,4294.82) U6.8@4178.11,4304.74 ; U7.16@4326.57,3353.81 4326.57,3319.43 4393,3253 C60.2@4404,3253 4419,3253 v1(4454,3218) ; U7.16@4327.46,3329.2 ccw(c4353.2,3329.2) 4335,3311 ; L4.1@6417.62,2981.82 ccw(c6423.56,3011.86) 6445.21,2990.21 ; L4.1@6419.95,2993.6 ccw(c6428.81,3038.4) 6461.1,3006.1 ; L4.1@6420,2986 6441,2986 ; L4.1@6422.27,3005.37 ccw(c6434.06,3064.94) v1(6477,3022) 6441,2986 ; L4.1@6429.97,2979.85 cw(c6441,2973.04) 6441,2986 ; L4.1@6429.97,2992.15 ccw(c6441,2998.96) 6441,2986
  Top Layer w20: C47.2@4216,2135 4296,2055 4481,2055 4521,2015 4521,1535 ; C47.2@4223,2142 v1(4223,2181) ; 4527,1535 v1(4589,1473) ; v2(4770,1907) 4770,1677 v2(4772,1675) ; v2(6110,1574) 6112,1576 v2(6112,1763)
  Top Layer w25: C78.2@3653.43,3226.06 C78.2@3669.36,3242 ; C78.2@3653.43,3249 ccw(c3653.43,3304.36) 3692.58,3265.21 ; C78.2@3661.29,3222.12 ccw(c3705.03,3265.85) 3705.03,3204 ; 3707,3204 3790,3121 U13.2@3790,3044 ; U13.1@3840,3044 3840,3242 C78.2@3669.36,3242 ; v2@3902,3428.82 3856.18,3428.82 3763,3335.64 C78.2@3669.36,3242
  Top Layer w50: v2(3902,3429) v2(3934,3429)
  VCC w50: v2(3902,3429) 4039,3429
  Bottom Layer w10: v1(3551,4323) 3567,4323 3619,4375 3619,4559 v1(3555,4623) ; v1@3554.54,4319.46 cw(c3563.07,4310.93) 3563.07,4323 cw(c3563.07,4335.07) v1@3554.54,4326.54 ; v1@3555,4618 cw(c3555,4605.93) 3563.54,4614.46 cw(c3572.07,4623) v1@3560,4623 ; v1(4252,2284) 4327,2359 v1@5181.59,2359 ; v1@4252,2289 ccw(c4252,2301.07) 4260.54,2292.54 ccw(c4269.07,2284) v1@4257,2284 ; v1(4252,2385) v1(5160,2385) v1@5160,2380.59 ; v1@4255.54,2381.46 cw(c4264.07,2372.93) 4264.07,2385 cw(c4264.07,2397.07) v1@4255.54,2388.54 ; v1(4389,2289) 4433,2333 v1(5253,2333) v1@5256,2333 ; v1@4389,2294 ccw(c4389,2306.07) 4397.54,2297.54 ccw(c4406.07,2289) v1@4394,2289 ; v1(4589,1473) 4590,1472 4736,1472 ; v1@4592.54,1476.54 ccw(c4603.49,1487.49) 4603.49,1472 ; v1@4754.46,1422.54 ccw(c4745.93,1431.07) 4758,1431.07 ccw(c4770.07,1431.07) v1@4761.54,1422.54 ; v1(4758,1419) 4758,1450 4736,1472 ; v1@4858.46,1419.54 ccw(c4849.93,1428.07) 4862,1428.07 ccw(c4874.07,1428.07) v1@4865.54,1419.54 ; v1(4862,1416) 4862,1448 4838,1472 ; v1@4963.46,1419.54 ccw(c4954.93,1428.07) 4967,1428.07 ccw(c4979.07,1428.07) v1@4970.54,1419.54 ; v1(4967,1416) 4967,1434 4929,1472 ; v1@5064,1418 ccw(c5051.93,1418) 5060.46,1426.54 ccw(c5069,1435.07) v1@5069,1423 ; v1(5069,1418) 5015,1472 ; v1@5156.46,2381.46 ccw(c5147.93,2372.93) 5147.93,2385 ccw(c5147.93,2397.07) v1@5156.46,2388.54 ; 5170.51,2359 ccw(c5170.51,2374.49) v1@5181.46,2363.54 ; v1@5172,1418 ccw(c5159.93,1418) 5168.46,1426.54 ccw(c5177,1435.07) v1@5177,1423 ; v1(5177,1418) 5123,1472 5015,1472 ; v1@5249.46,2329.46 ccw(c5240.93,2320.93) 5240.93,2333 ccw(c5240.93,2345.07) v1@5249.46,2336.54 ; 4736,1472 4838,1472 ; 4838,1472 4929,1472 ; 4929,1472 5015,1472
VDD5: C74.2 C75.2 C76.1 C77.2 C84.1 C85.2 L6.2 R65.1 R66.2 U12.4 U13.5 U13.8 U15.8 | length 7341.3
  Top Layer w12: U12.4@3851,1821.79 3966.79,1821.79 4027,1882 ; C74.2@3863,2570.32 4027,2406.32 4027,1882 ; C74.2@3882.59,2570.32 ccw(c3929.89,2570.32) 3896.44,2536.88 ; U12.4@3897.5,1810.72 cw(c3924.22,1784) 3924.22,1821.79 cw(c3924.22,1859.58) U12.4@3897.5,1832.86 ; R65.1@4153.11,1833.11 ccw(c4136.47,1816.47) 4136.47,1840 ccw(c4136.47,1863.53) R65.1@4153.11,1846.89 ; R65.1@4160,1840 4069,1840 4027,1882 ; 5588,996 ccw(c5568,1016) R66.2@5596.28,1016 ; R66.2@5592.75,1000.75 cw(c5606.03,987.47) R66.2@5606.03,1006.25 ; R66.2@5608,1016 5442,850 4213,850 4027,1036 4027,1882
  Top Layer w25: 3165.21,2587.79 ccw(c3222.13,2644.71) C84.1@3222.13,2564.22 ; C84.1@3230,2559 3194,2559 3154,2599 3154,2707 3203,2756 3388,2756 3421,2789 U15.8@3421,2855.02 ; 3496.37,2553.63 ccw(c3536.48,2593.74) C77.2@3548.55,2538.31 ; C77.2@3537.73,2532.2 ccw(c3518.74,2513.21) 3518.74,2540.06 ccw(c3518.74,2566.91) C77.2@3537.73,2547.93 ; C77.2@3543.23,2562.74 cw(c3524.91,2646.9) 3464,2586 ; C77.2@3545.59,2540.06 3509.94,2540.06 3464,2586 ; U13.5@3690,2855.02 3690,2817 3620,2747 ; U13.8@3840,2855.02 3840,2765 3822,2747 3620,2747 ; 3464,2586 3464,2700 3511,2747 3620,2747
  Top Layer w50: C84.1@3230,2559 3368.41,2559 C85.2@3387.34,2540.06 3469,2458.41 3469,2455 3663,2455 ; L6.2@3509,2370.22 3814.07,2370.22 C75.2@3854,2410.15 C74.2@3854,2561.32 ; C77.2@3544.44,2552.62 cw(c3574.53,2533.16) 3574.53,2569 ; C77.2@3544.62,2552.85 cw(c3583.61,2513.86) 3583.61,2569 ; C77.2@3545.59,2540.06 3574.53,2569 ; C76.1@3704.12,2570.75 cw(c3561.92,2556.09) 3663,2455 ; C76.1@3708.24,2564.18 ccw(c3739.85,2606.15) 3777,2569 ; C74.2@3863,2570.32 3861.68,2569 3777,2569 ; 3574.53,2569 3777,2569 ; 3663,2455 3777,2569 ; 3820.66,2370.22 cw(c3820.66,2327.59) 3850.8,2357.74 ccw(c3820.66,2327.59) 3820.66,2370.22